# KiCad board EMFbadge new design-nopFcaps.kicad_pcb
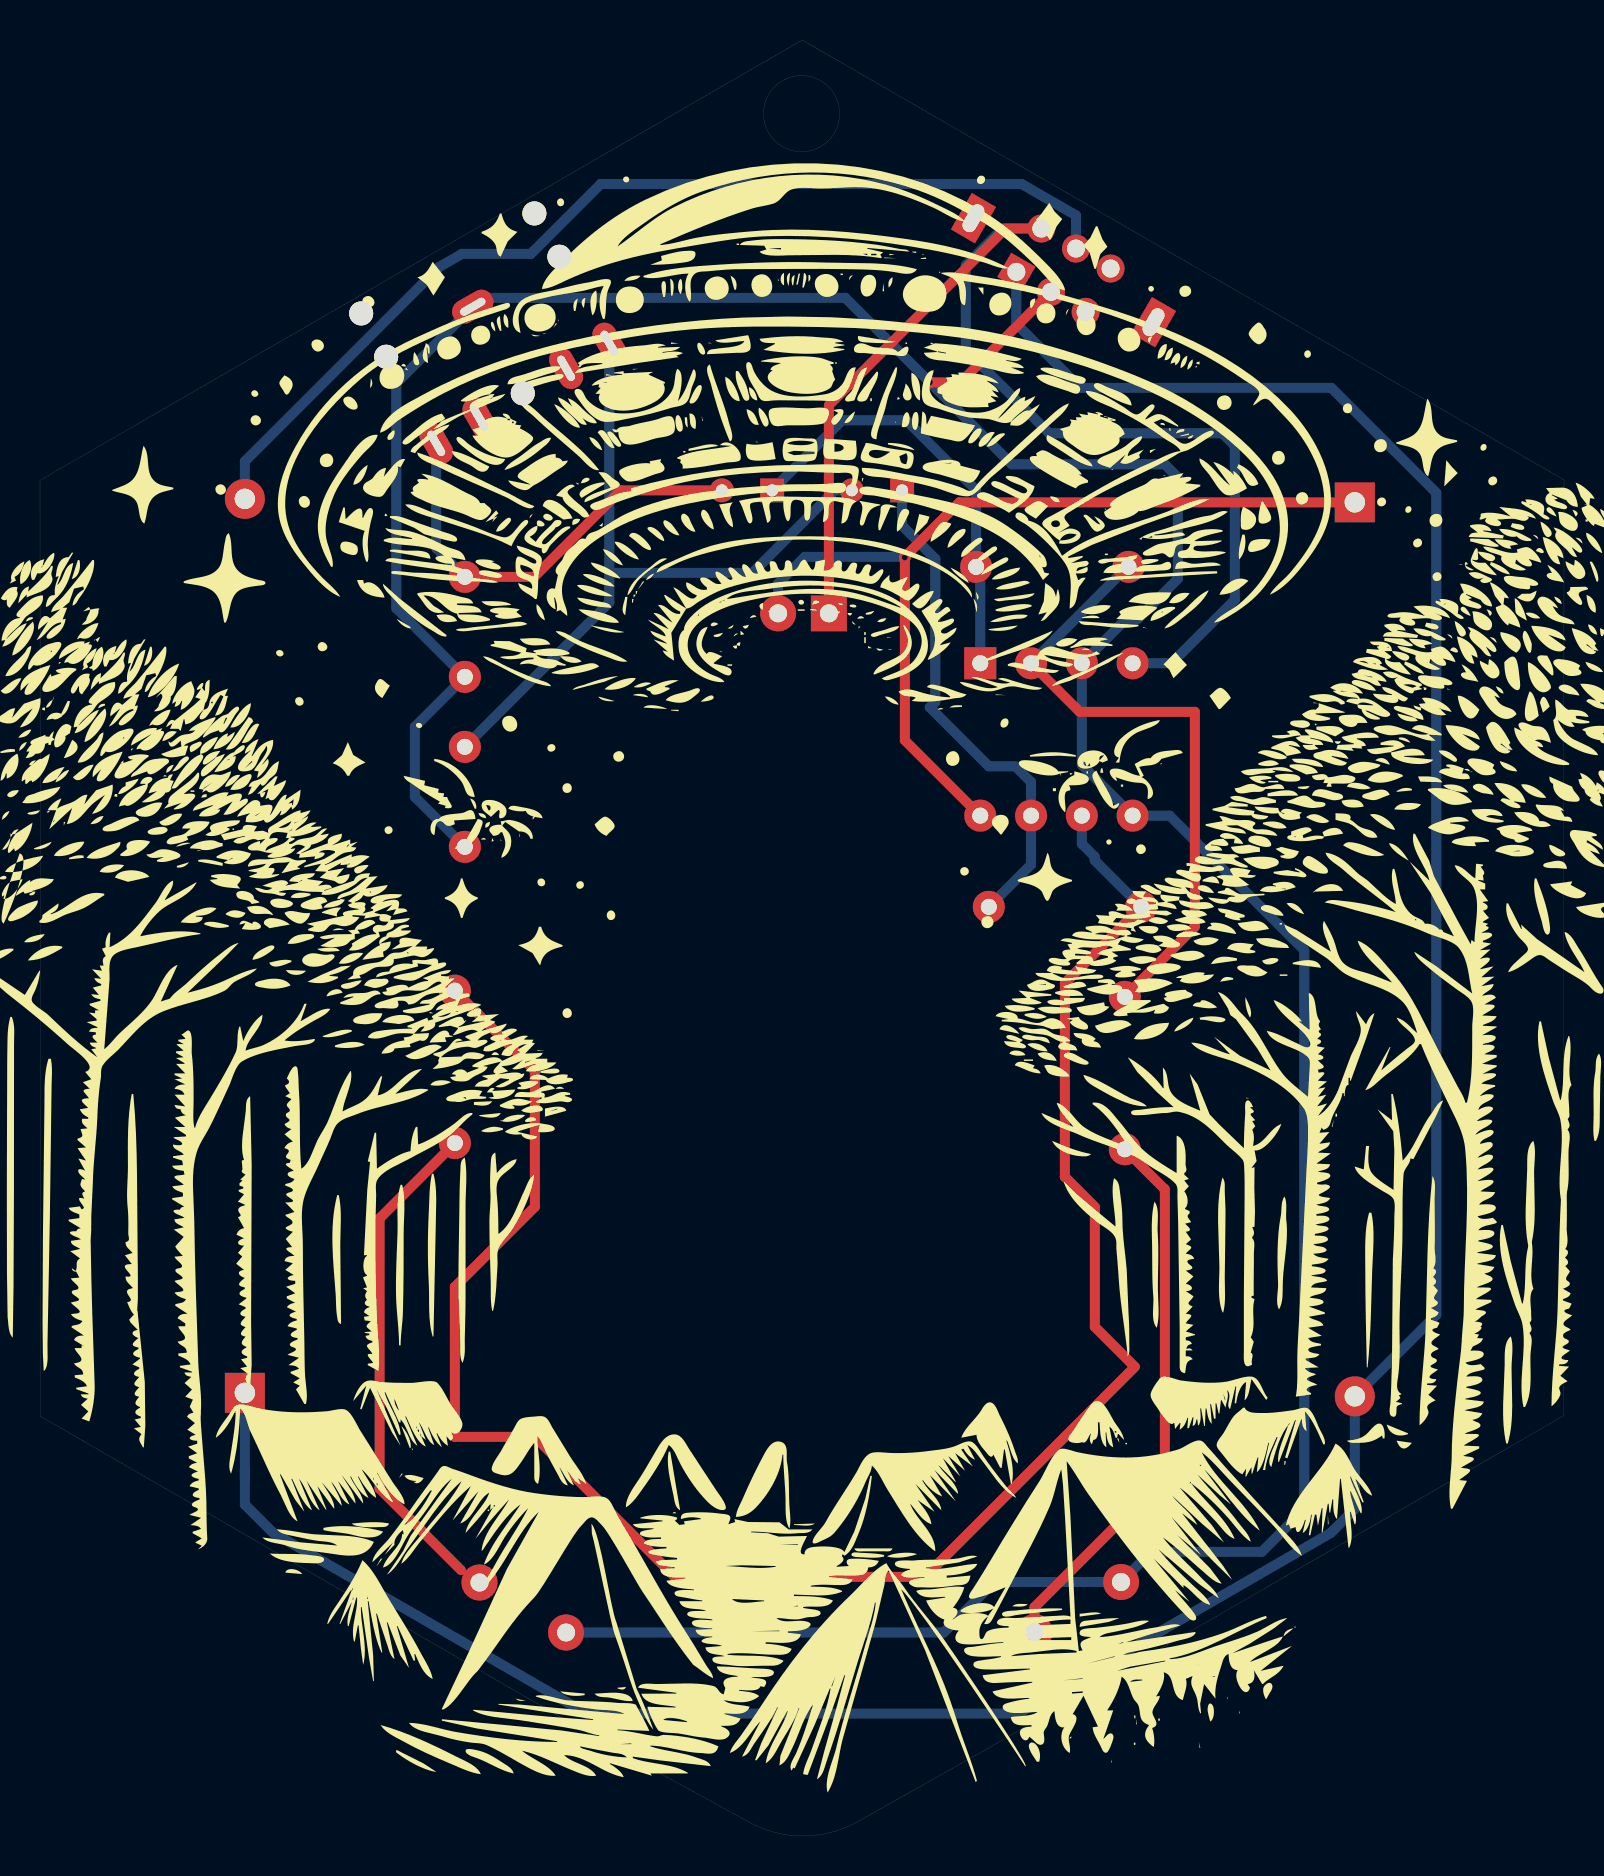
[diagram p0: board, top side]
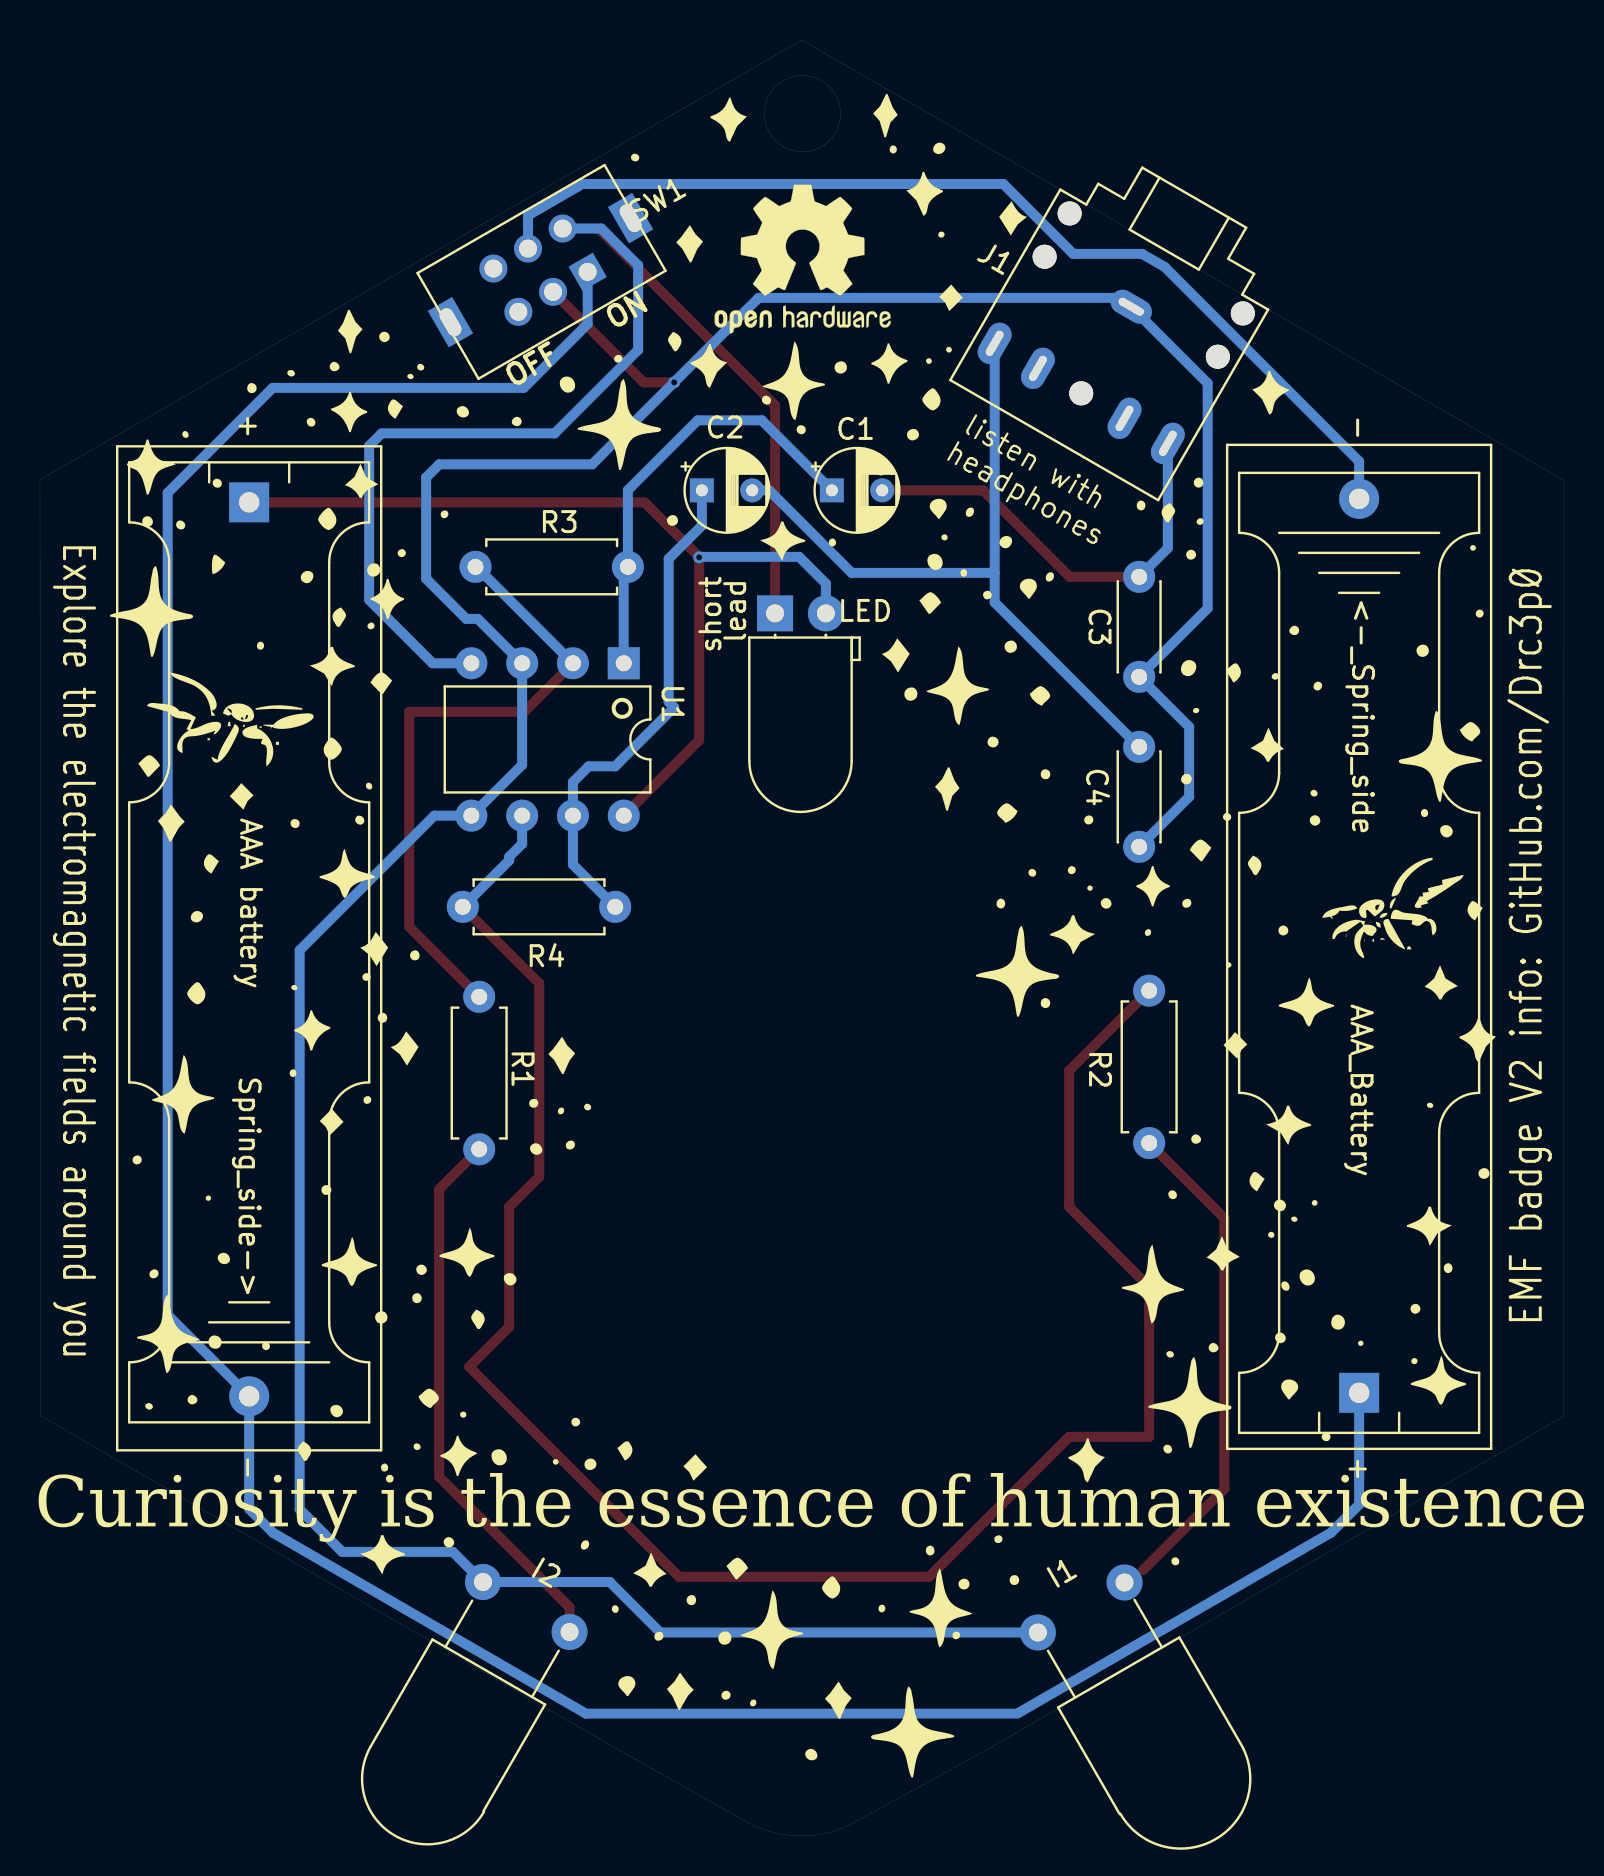
[diagram p1: board, bottom side, seen from below]

Outline 76.2 x 89.8 mm; copper layers: Top, Bottom. Coordinates in mm from the lower left corner of the outline.
Outline path: circle c38.08,86.12 r1.91 ; 0,67.78 38.11,89.8 76.2,67.81 76.2,21.02 47.33,4.34 40.81,0.68 arc(38.14,0) 35.46,0.69 28.91,4.28 0.01,20.99 0,67.78
Stack: Top 0.035mm / dielectric 1.51mm FR4 er 4.5 / Bottom 0.035mm

## Placement (name value [footprint] x y rotation side)
<-_Spring_side  AAA_Battery  [BatteryHolder_Keystone_2466_1xAAA]  10.24 22.16 90 bottom
C1  4.7u  [CP_Radial_D4.0mm_P2.54mm]  36.35 67.28 180 bottom
C2  4.7u  [CP_Radial_D4.0mm_P2.54mm]  42.85 67.28 180 bottom
C3  10uF  [C_Disc_D4.3mm_W1.9mm_P5.00mm]  21.24 57.96 90 bottom
C4  10uF  [C_Disc_D4.3mm_W1.9mm_P5.00mm]  21.24 49.46 90 bottom
D1  LED  [LED_D5.0mm_Horizontal_O1.27mm_Z9.0mm]  39.45 61.13 180 bottom
I1  100mH  [Inductor_D5.0mm_Horizontal_O3.81mm_Z9.0mm]  25.22 10.8 150 bottom
I2  100mH  [Inductor_D5.0mm_Horizontal_O3.81mm_Z9.0mm]  52.97 12.07 210 bottom
J1  AudioJack2_Ground_Switch  [Jack_3.5mm_CUI_SJ1-3525N_Horizontal]  21.64 76.46 30 bottom
R1  100  [R_Axial_DIN0207_L6.3mm_D2.5mm_P7.62mm_Horizontal]  54.24 34.34 90 bottom
R2  100  [R_Axial_DIN0207_L6.3mm_D2.5mm_P7.62mm_Horizontal]  20.74 34.65 90 bottom
R3  100K  [R_Axial_DIN0207_L6.3mm_D2.5mm_P7.62mm_Horizontal]  54.43 63.46 180 bottom
R4  100K  [R_Axial_DIN0207_L6.3mm_D2.5mm_P7.62mm_Horizontal]  55.06 46.46 180 bottom
REF**  -  [OSHW-Logo2_9.8x8mm_SilkScreen]  38.07 78.86 180 bottom
Spring_side->  AAA battery  [BatteryHolder_Keystone_2466_1xAAA]  65.74 66.68 270 bottom
SW1  SW_DPDT_x2  [DPDT slide switch]  48.14 78.02 330 bottom
U1  NJM2115D  [DIP-8_W7.62mm]  47.01 58.64 270 bottom

## Library data of the parts
<-_Spring_side Spring_side-> = -: Description: Multiple-cell battery; Sim.Device: V; Sim.Params: dc=1.5; Sim.Pins: 1=+ 2=-; Sim.Type: DC
C1 C2 = -: Description: Polarized capacitor; Sim.Device: C; Sim.Pins: 1=+ 2=-
C3 C4 = -: Description: Unpolarized capacitor, small symbol; Sim.Device: C; Sim.Pins: 1=+ 2=-
D1 = -: Description: Light emitting diode
I1 I2 = -: Description: Inductor
J1 = -: Description: Audio Jack, 2 Poles (Mono / TS), Grounded Sleeve, Switched Pole (Normalling)
R1 R3 R4 = -: Description: Resistor
R2 = -: Description: Resistor; Sim.Device: R; Sim.Pins: 1=+ 2=-
SW1 = -: Description: Switch, dual pole double throw, separate symbols
U1 = -: Description: Low-Power, Dual Operational Amplifiers, DIP-8/SOIC-8/TO-99-8; Sim.Device: SUBCKT; Sim.Library: /Users/DRC/Downloads/MCP6001 2.lib; Sim.Name: MCP6001; Sim.Pins: 1=1 2=2 3=3 4=4 5=5

## Footprints (pads in the part's own frame, mm; a bottom-side part is the same pattern mirrored in y, then rotated)
BatteryHolder_Keystone_2466_1xAAA
  rect 2x2 hole 1.02: 1(0,0)
  round 2 hole 1.02: 2(44.7,0)
C_Disc_D4.3mm_W1.9mm_P5.00mm
  round 1.6 hole 0.8: 1(0,0) 2(5,0)
CP_Radial_D4.0mm_P2.54mm
  rect 1.2x1.2 hole 0.6: 1(-0.254,0)
  round 1.2 hole 0.6: 2(2.261,0)
DIP-8_W7.62mm
  rect 1.6x1.6 hole 0.8: 1(0,0)
  oval 1.6x1.6 hole 0.8: 2(0,-2.54) 3(0,-5.08) 4(0,-7.62) 5(7.62,-7.62) 6(7.62,-5.08) 7(7.62,-2.54) 8(7.62,0)
DPDT slide switch
  rect 1.4x2.1 hole 0.7x1.5: (-2.7,-1.75) (7.7,-1.75)
  rect 1.4x1.4 hole 0.9: 1(0.5,-0.5)
  round 1.4 hole 0.9: 2(2.5,-0.5) 3(4.5,-0.5) 4(0.5,-3) 5(2.5,-3) 6(4.5,-3)
Inductor_D5.0mm_Horizontal_O3.81mm_Z9.0mm
  round 1.8 hole 0.9: 1(-1.25,0) 2(3.75,0)
Jack_3.5mm_CUI_SJ1-3525N_Horizontal
  round 1.2 hole 1.2 unplated: (-5,-2.5) (-5,0) (0,5) (5,-2.5) (5,0)
  oval 1.2x2.2 hole 0.4x1.4: R(-5,5) RN(-2.5,5) T(5,5) TN(2.5,5)
  oval 2.2x1.2 hole 1.4x0.4: S(0,0)
LED_D5.0mm_Horizontal_O1.27mm_Z9.0mm
  rect 1.8x1.8 hole 0.9: 1(0,0)
  round 1.8 hole 0.9: 2(2.54,0)
R_Axial_DIN0207_L6.3mm_D2.5mm_P7.62mm_Horizontal
  round 1.6 hole 0.8: 1(0,0)
  oval 1.6x1.6 hole 0.8: 2(7.62,0)

## Nets
GND: C3.1 C4.1 I1.1 I2.1 J1.S SW1.2 U1.3 U1.5
+VDC: D1.2 Spring_side->.1 U1.8
-VDC: D1.1 SW1.4 U1.4
Net-(<-_Spring_side_1-+): <-_Spring_side.1 Spring_side->.2 SW1.1
Net-(<-_Spring_side_1--): <-_Spring_side.2 SW1.5
Net-(C1-Pad1): C1.1 R3.2 U1.1
Net-(C1-Pad2): C1.2 C3.2 J1.R
Net-(C2-Pad1): C2.1 R4.2 U1.7
Net-(C2-Pad2): C2.2 C4.2 J1.T
Net-(I1-Pad2): I1.2 R2.1
Net-(I2-Pad2): I2.2 R1.1
Net-(U1A--): R1.2 R3.1 U1.2
Net-(U1B--): R2.2 R4.1 U1.6

Pads without a net: J1 RN TN; SW1 3 6

## Via types
v1: diameter 0.6, hole 0.3, Top to Bottom, 2 vias

## Routing (per net, layer and track width the routed paths; a pad name or vN(x,y) marks a point on that pad's centre or on a via; arc(x,y) is an arc through that point)
GND: length 178.3
  Top w0.5: 44.47,72.68 v1(44.49,72.68) 46.03,72.68 SW1.2
  Bottom w0.5: I1.1 45.19,10.17 47.71,12.7 I2.1 55.56,14.21 61.09,14.21 63.22,16.33 63.22,44.28 56.48,51.02 U1.5 52.09,53.56 U1.3 54.31,60.86 54.89,60.86 56.89,62.86 56.89,67.93 56.24,68.58 48.59,68.58 v1(44.49,72.68) 40.27,76.91 22.08,76.91 J1.S 17.82,72.64 17.82,61.38 C3.1 18.74,55.46 18.74,51.96 C4.1
+VDC: length 46.5
  Top w0.5: U1.8 43.24,54.79 v1(43.24,63.93) 43.24,63.96 45.97,66.68 Spring_side->.1
  Bottom w0.5: D1.2 36.91,62.62 38.24,63.96 43.24,63.96
-VDC: length 63
  Top w0.5: D1.1 39.45,71.54 48.28,80.37 SW1.4
  Bottom w0.5: SW1.4 48.13,80.37 46.29,78.53 46.29,74.31 50.47,70.13 59.12,70.13 59.74,69.51 59.74,61.81 56.57,58.64 U1.4
Net-(<-_Spring_side_1-+): length 151.2
  Bottom w0.2: 65.74,21.98 65.74,17.73
  Bottom w0.5: 27.29,6.14 11.64,15.17 10.24,16.57 10.24,18.28 ; 10.24,18.28 <-_Spring_side.1 ; 10.24,18.28 10.24,17.84 ; 27.33,6.12 48.9,6.12 64.55,15.16 65.74,16.35 65.74,21.98 69.82,26.06 69.82,67.16 64.57,72.41 52.02,72.41 48.82,75.61 SW1.1
Net-(<-_Spring_side_1--): length 51.4
  Bottom w0.5: SW1.5 51.8,81.03 49.08,82.6 28.04,82.6 24.54,79.11 21.1,79.11 19.96,78.45 10.24,68.73 <-_Spring_side.2 ; 51.93,79.43 52.08,79.58
Net-(C1-Pad1): length 21.8
  Bottom w0.5: C1.1 40.11,70.78 43.32,70.78 46.81,67.29 R3.2 47.01,63.25 U1.1
Net-(C1-Pad2): length 21.9
  Top w0.5: C1.2 29.04,67.28 24.72,62.96 C3.2
  Bottom w0.5: C3.2 19.81,64.39 J1.R
Net-(C2-Pad1): length 25.4
  Bottom w0.5: C2.1 43.11,65.52 44.77,63.86 44.77,56.71 44.49,56.43 47.44,53.48 48.77,53.48 49.55,52.7 U1.7 49.55,48.57 R4.2
Net-(C2-Pad2): length 37
  Bottom w0.5: 28.47,63.16 35.62,63.16 39.75,67.28 C2.2 ; 28.47,63.16 J1.T ; 28.47,63.16 28.47,61.68 C4.2
Net-(I1-Pad2): length 24.6
  Top w0.5: 21.05,13.29 16.98,17.36 16.98,30.88 R2.1
Net-(I2-Pad2): length 27.7
  Top w0.5: I2.2 49.73,11.44 56.24,17.96 56.24,32.34 R1.1
Net-(U1A--): length 31.8
  Top w0.5: U1.2 51.98,56.21 57.74,56.21 57.74,45.46 R1.2
  Bottom w0.5: R3.1 54.37,63.46 U1.2
Net-(U1B--): length 98.7
  Top w0.5: R4.1 51.24,42.64 51.24,32.96 52.74,31.46 52.74,25.46 54.74,23.46 44.24,12.96 31.74,12.96 24.74,19.96 20.74,19.96 20.74,27.46 24.74,31.46 24.74,38.27 R2.2
  Bottom w0.5: U1.6 52.09,49.61 52.74,48.96 52.74,48.78 R4.1

## Text on the board
B.Mask: Curiosity is the essence of human existence
B.Silkscreen: listen with / headphones | OFF    ON | Explore the electromagnetic fields around you | EMF badge V2 info: GitHub.com/Drc3p0 | Curiosity is the essence of human existence
